# Allegro board MK60_PACK_V20A.brd (continued)
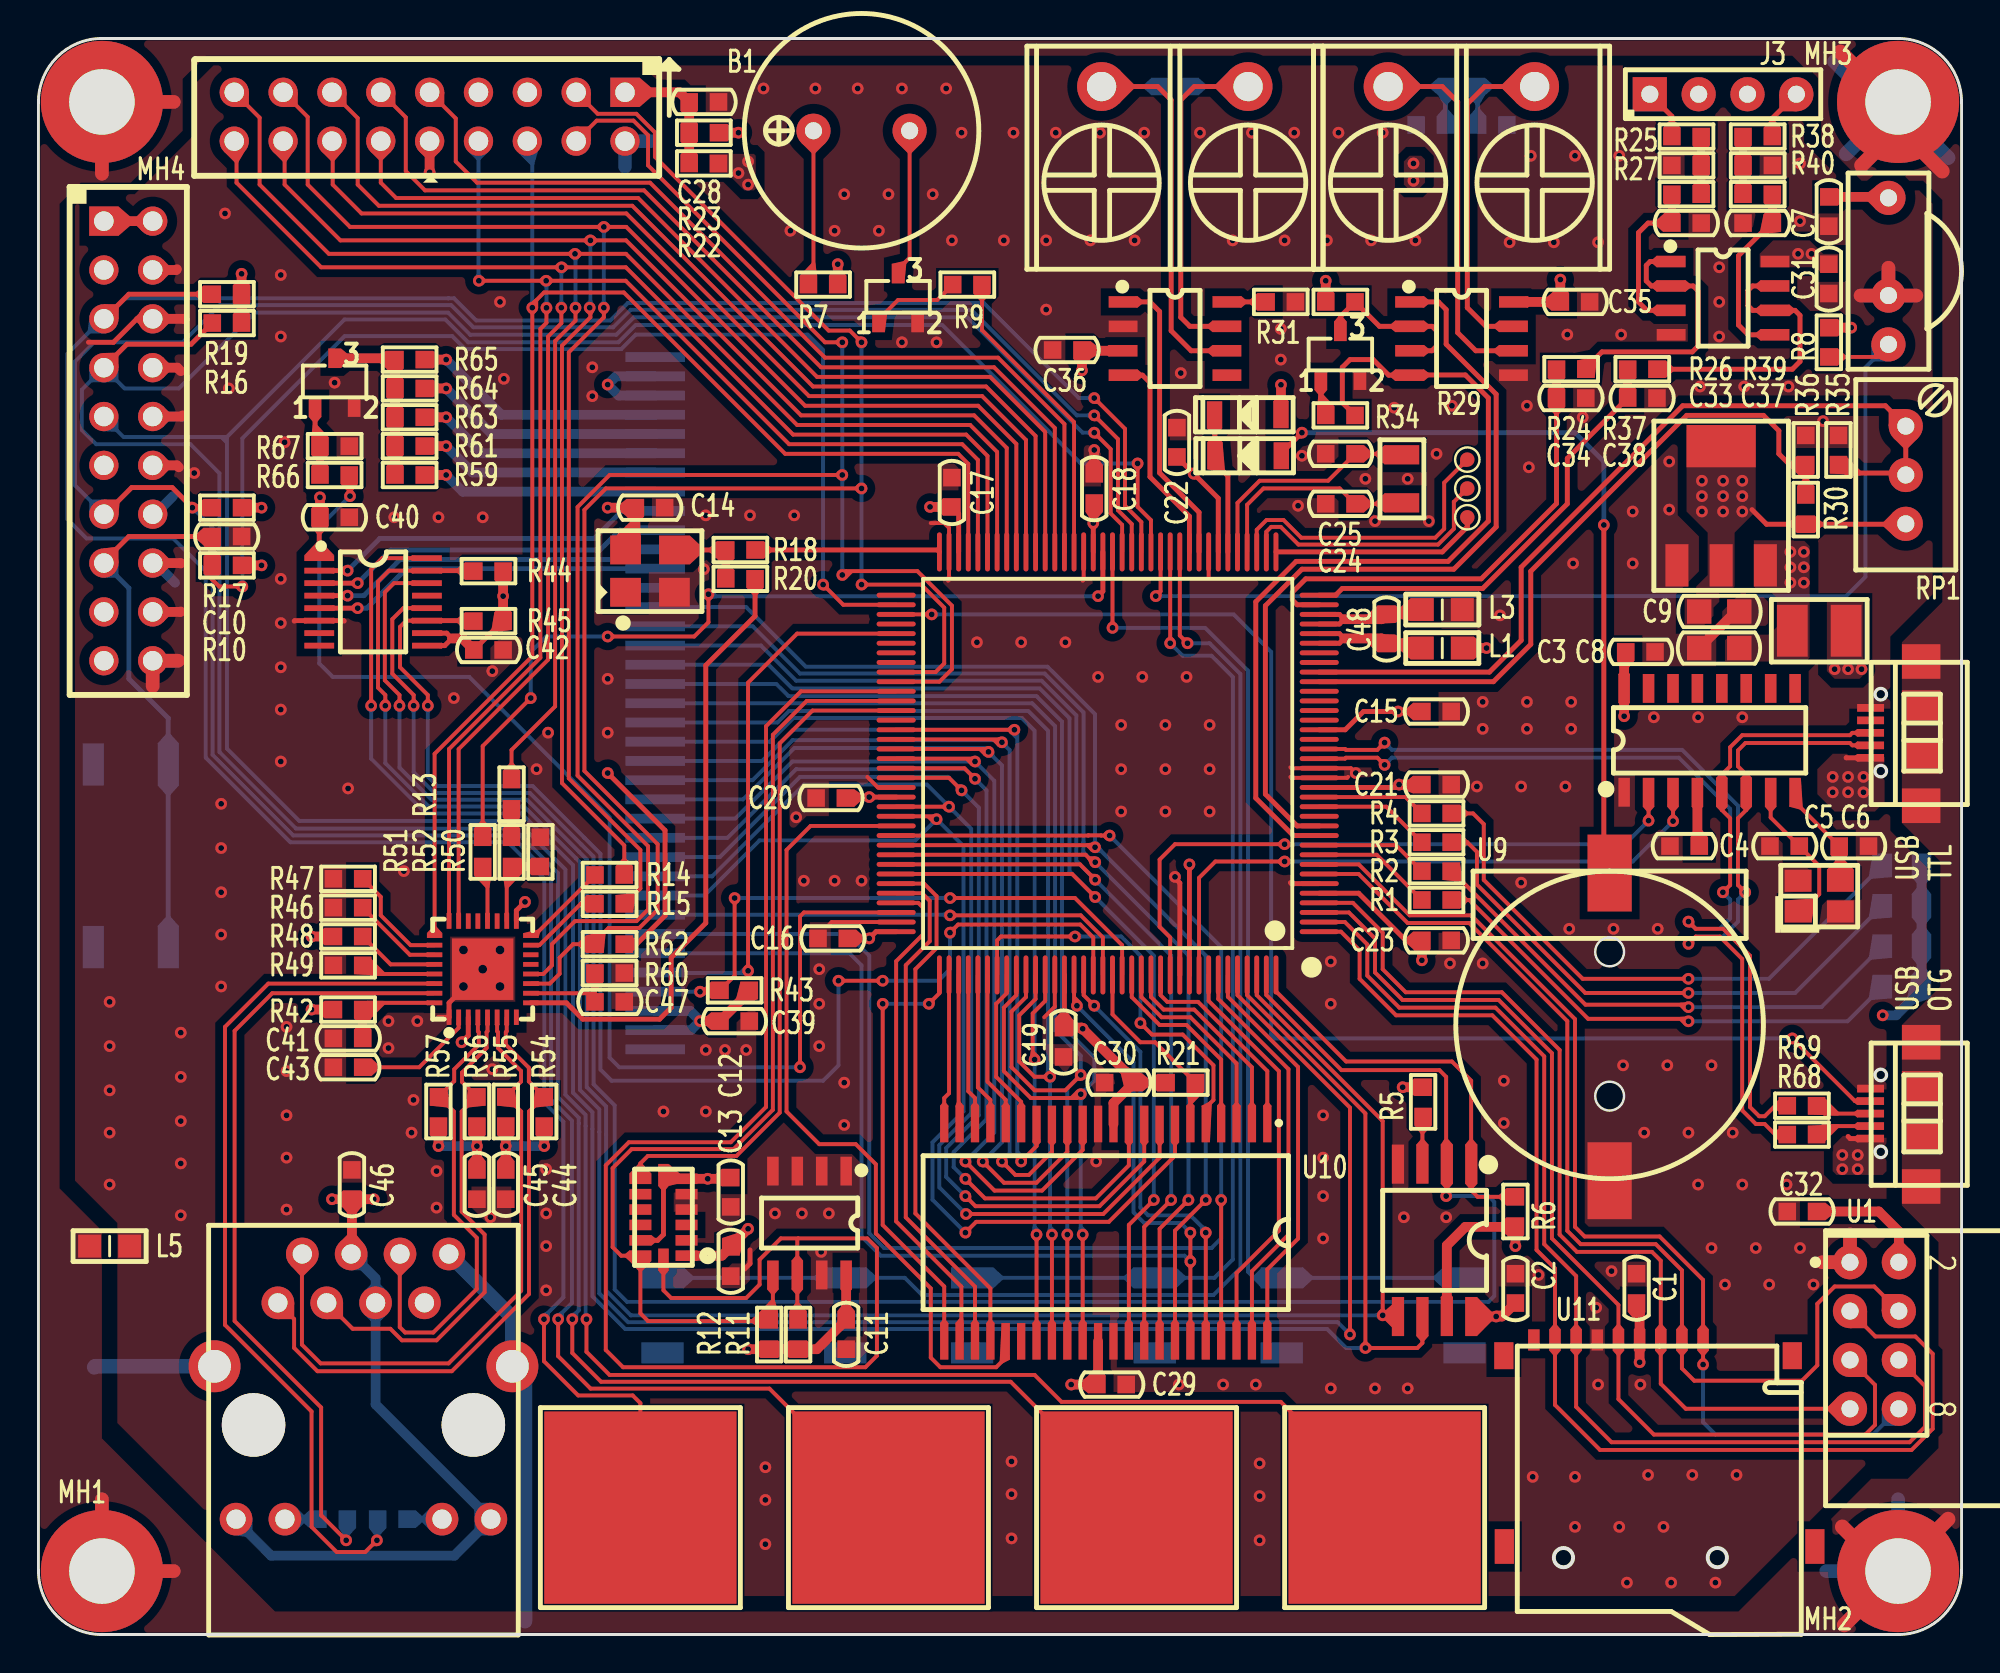
[diagram p0: board, top side]
## Nets
GND: C1.2 C2.1 C3.2 C4.2 C5.1 C6.1 C7.2 C8.2 C9.2 C10.1 C11.1 C12.1 C13.1 C14.1 C15.1 C16.1 C17.1 C18.1 C19.1 C20.1 C21.1 C22.1 C23.1 C24.1 C25.1 C28.2 C29.2 C30.2 C31.2 C32.1 C33.1 C34.1 C35.2 C36.2 C37.1 C38.1 C39.1 C40.1 C41.1 C42.2 C43.2 C44.1 C45.1 C46.1 C47.2 J1.4 J1.6 J1.8 J1.10 J1.12 J1.14 J1.16 J1.18 J1.20 J2.2(10) J3.2 J3.3 L3.1(A) L5.1(A) Q1.2(E) Q2.2(E) Q3.2(E) R27.2 R28.1 R31.1 R35.1 R36.1 R40.2 R46.1 R47.1 R49.2 R50.2 R60.2 R67.1 SW1.3 SW1.4 SW2.3 SW2.4 SW3.3 SW3.4 SW4.3 SW4.4 U1.1(GND) U2.4(GND) U3.1(GND) U4.6(VSS_1) U4.17(VSS_2) U4.18(VSS_3) U4.44(VSS_4) U4.57(VSS_5) U4.71(VSS_6) U4.93(VSS_7) U4.107(VSS_8) U4.121(VSS_9) U4.134(VSS_10) U5.2(GND) U6.1(GND) U7.2(GND_1) U7.4(GND_2) U7.5(GND_3) U8.1(A0) U8.2(A1) U8.3(A2) U8.4(GND) U8.7(WP) U9.2 U10.12(GND_1) U10.34(GND_2) U11.6(GND) U12.4(GND) U13.5(GND) U14.2(GND) U15.1(GND_1) U15.25(GND_2) U15.37(GND_3) U16.6(GND) U17.1(GND_1) U17.33(GND_2) USB1.5(GND) USB2.5(GND) Y1.2(GND1) Y1.4(GND2) Y2.2(GND)
GND_EARTH: J6.8(CHS_GND) J6.13(SHILED_1) J6.14(SHILED_2) L5.2(B) MH1.1 MH2.1 MH3.1 MH4.1 USB1.6(P_2) USB1.7(P_1) USB1.8(P_3) USB1.9(P_4) USB2.6(P_2) USB2.7(P_1) USB2.8(P_3) USB2.9(P_4)
VCC_3.3V: C1.1 C2.2 C3.1 C7.1 C9.1 C11.2 C12.2 C13.2 C14.2 C15.2 C16.2 C17.2 C18.2 C19.2 C20.2 C21.2 C22.2 C23.2 C29.1 C30.1 C32.2 C35.1 C36.1 C39.2 C40.2 C42.1 C46.2 D1.1(ANODE) D2.1(ANODE) D3.1(ANODE) D4.1(ANODE) D6.1(ANODE) J1.1 J1.2 J2.10(14) J6.4(TCT) J6.5(RCT) J6.9(LED(G)_A) J6.12(LED(Y)_A) L1.1(A) R5.1 R6.1 R7.2 R8.1 R10.1 R11.2 R12.2 R16.2 R17.2 R19.2 R21.1 R23.2 R29.1 R30.2 R42.1 R43.1 R44.1 R45.1 R48.2 R62.1 RP1.1(A) U1.2(VCC) U2.7(H\O\L\D\) U2.8(VCC) U3.16(VCC) U4.5(VDD_1) U4.16(VDD_2) U4.22(VREGIN) U4.43(VDD_3) U4.56(VDD_4) U4.70(VDD_5) U4.94(VDD_6) U4.108(VDD_7) U4.122(VDD_8) U4.135(VDD_9) U5.3(VCC) U6.2(OUT_1) U6.4(OUT_2) U7.1(VDDIO) U7.6(VSS) U7.7(C\S\) U7.12(SDO/ALT) U8.8(VCC) U10.11(VCC_1) U10.33(VCC_2) U11.4(VCC) U13.8(VCC) U14.3(VCC) U15.2(VDD_1) U15.3(VDD_2) U15.35(LED-A_1) U15.36(LED-A_2) U16.1(VCC) U16.9(VREF) U16.10(IOVDD) U17.3(VDDA_3.3) U17.17(VDDIO_3.3) Y2.4(VCC)
VCC_5V: C8.1 C31.1 F1.2 R22.2 R41.2 U6.3(IN) U12.8(VCC)
VCC_USB: F1.1 USB1.1(VBUS) USB2.1(VBUS)
VDDA3V3: C48.2 L1.2(B) U4.31(VDDA) U4.32(VREFH)
VSSA: C48.1 L3.2(B) U4.33(VREFL) U4.34(VSSA)
485_R: U4.12(PTE9) U13.1(RO)
485_T: R34.1 U4.11(PTE8) U13.4(DI)
A4: SW3.1 SW3.2 U4.54(PTA4/NMI_B)
A6: R9.1 U4.58(PTA6)
A24: U4.75(PTA24) USB1.4(ID)
AD1: C34.2 R24.2 U4.35(ADC1_SE16)
AD2: C38.2 R37.2 U4.36(ADC0_SE16)
ADC0_DM0: R35.2 RP1.2(WIPER) RP1.3(B) U4.28(ADC1_DM3)
ADC0_DP0: R30.1 R36.2 U4.27(ADC1_DP3)
ADIN1: J3.1 R25.1
ADIN2: J3.4 R38.1
ADXL_INT: U4.85(PTB4) U7.8(INT1)
B2: R11.1 U4.83(PTB2) U7.14(SCL/SCLK) U8.6(SCL)
B3: R12.1 U4.84(PTB3) U7.13(SDA/SDIO) U8.5(SDA)
BL: R66.1 U4.106(PTC3)
CAN1_RX: U4.46(PTE25) U14.4(R)
CAN1_TX: U4.45(PTE24) U14.1(D)
CONFIG0: R48.1 U17.28(COL/CONFIG0)
CONFIG1: R49.1 U17.29(CRS/CONFIG1)
CONFIG2: R50.1 R52.2 U17.18(RXDV/CRSDV/CONFIG2)
CS: R43.2 U4.128(PTD1) U15.4(CS)
D6: U3.2(TXD) U4.133(PTD6)
D7: U3.3(RXD) U4.136(PTD7)
D15: R6.2 U2.1(C\S\) U4.144(PTD15)
DAC0_OUT: TP2.1 U4.38(ADC0_SE23)
DAC1_OUT: TP3.1 U4.39(ADC1_SE23)
E6: R1.1 U4.9(PTE6)
E7: R2.1 U4.10(PTE7)
E11: R3.1 U4.14(PTE11)
E12: R4.1 U4.15(PTE12)
E26: SW1.1 SW1.2 U4.47(PTE26)
E27: SW2.1 SW2.2 U4.48(PTE27)
E28: R8.2 U4.49(PTE28) U5.1(DATA)
EXTAL32: C25.2 U4.41(EXTAL32) Y3.1
FB_1: U4.132(PTD5) U10.1(A0)
FB_2: U4.131(PTD4) U10.2(A1)
FB_3: U4.130(PTD3) U10.3(A2)
FB_4: U4.129(PTD2) U10.4(A3)
FB_5: U4.115(PTC10) U10.5(A4)
FB_6: U4.114(PTC9) U10.18(A5)
FB_7: U4.113(PTC8) U10.19(A6)
FB_8: U4.112(PTC7) U10.20(A7)
FB_9: U4.111(PTC6) U10.21(A8)
FB_10: U4.110(PTC5) U10.22(A9)
FB_11: U4.109(PTC4) U10.23(A10)
FB_12: U4.105(PTC2) U10.24(A11)
FB_13: U4.104(PTC1) U10.25(A12)
FB_14: U4.103(PTC0) U10.26(A13)
FB_15: U4.97(PTB18) U10.27(A14)
FB_16: U4.137(PTD8) U10.42(A15)
FB_17: U4.138(PTD9) U10.43(A16)
FB_18: U4.139(PTD10) U10.44(A17)
FB_AD0: U4.96(PTB17) U10.7(I/O0) U15.9(DBD0)
FB_AD1: U4.95(PTB16) U10.8(I/O1) U15.10(DBD1)
FB_AD2: U4.92(PTB11) U10.9(I/O2) U15.11(DBD2)
FB_AD3: U4.91(PTB10) U10.10(I/O3) U15.12(DBD3)
FB_AD4: U4.90(PTB9) U10.13(I/O4) U15.13(DBD4)
FB_AD5: U4.89(PTB8) U10.14(I/O5) U15.14(DBD5)
FB_AD6: U4.88(PTB7) U10.15(I/O6) U15.15(DBD6)
FB_AD7: U4.87(PTB6) U10.16(I/O7) U15.16(DBD7)
FB_AD8: U4.120(PTC15) U10.29(I/O8) U15.17(DBD8)
FB_AD9: U4.119(PTC14) U10.30(I/O9) U15.18(DBD9)
FB_AD10: U4.118(PTC13) U10.31(I/O10) U15.19(DBD10)
FB_AD11: U4.117(PTC12) U10.32(I/O11) U15.20(DBD11)
FB_AD12: U4.102(PTB23) U10.35(I/O12) U15.21(DBD12)
FB_AD13: U4.101(PTB22) U10.36(I/O13) U15.22(DBD13)
FB_AD14: U4.100(PTB21) U10.37(I/O14) U15.23(DBD14)
FB_AD15: U4.99(PTB20) U10.38(I/O15) U15.24(DBD15)
FB_BE_23_16: U4.123(PTC16) U10.39(L\B\) U15.6(WR)
FB_BE_31_24: U4.124(PTC17) U10.40(U\B\)
FB_CS1: R21.2 U4.127(PTD0) U10.6(C\E\)
FB_OE_B: U4.98(PTB19) U10.41(O\E\) U15.7(RD)
FB_RW_B: U4.116(PTC11) U10.17(W\E\)
LED0: R53.1 U17.30(LED0/NWAYEN)
LED1: R58.1 U17.31(LED1/SPEED)
LED-1: R59.1 U15.30(LED-1)
LED-2: R61.1 U15.31(LED-2)
LED-3: R63.1 U15.32(LED-3)
LED-4: R64.1 U15.33(LED-4)
LED-5: R65.1 U15.34(LED-5)
MK60_CLK: R18.2 U4.72(PTA18/EXTAL)
OV7620_HREF: J2.6(12) U4.69(PTA17) U17.25(TXD1)
OV7620_PCLK: J2.9(5) U4.59(PTA7)
OV7620_SCL: J2.3(2) R62.2 U4.81(PTB0) U17.11(MDIO)
OV7620_SDA: J2.4(11) U4.82(PTB1) U17.12(MDC)
OV7620_VSYNC: J2.8(13) U4.68(PTA16) U17.24(TXD0)
OV7620_Y0: J2.11(6) U4.60(PTA8)
OV7620_Y1: J2.12(15) U4.61(PTA9)
OV7620_Y2: J2.13(7) U4.62(PTA10)
OV7620_Y3: J2.14(16) U4.63(PTA11)
OV7620_Y4: J2.15(8) R15.2 U4.64(PTA12)
OV7620_Y5: J2.16(17) R14.2 U4.65(PTA13)
OV7620_Y6: J2.17(9) R13.2 U4.66(PTA14)
OV7620_Y7: J2.18 U4.67(PTA15) U17.23(TXEN/TX_EN)
PHY_CLK: R20.2 U17.9(XI/REFCLK)
RESET: C10.2 J1.15 R10.2 SW4.1 SW4.2 U4.74(RESET_B)
RMII0_CRSDV: R13.1 R52.1
RMII0_RXD0: R14.1 U17.16(RXD0/DUPLEX)
RMII0_RXD1: R15.1 U17.15(RXD1/PHYAD2)
RMII0_RXER: R51.1 U4.55(PTA5/TRST)
RS: U4.77(PTA26) U15.5(RS)
RST: C41.2 R42.2 U17.32(RST#)
RX+: J6.3(RD+) R56.1 U17.5(RX+)
RX-: J6.6(RD-) R57.1 U17.4(RX-)
SDHC0_CMD: U1.7(MISO) U4.4(PTE3) U11.3(CMD)
SDHC0_D0: U1.6(MOSI) U4.2(PTE1) U11.7(DAT0)
SDHC0_D1: U1.3(CE) U4.1(PTE0) U11.8(DAT1)
SDHC0_D2: U1.8(IRQ) U4.8(PTE5) U11.1(DAT2)
SDHC0_D3: U1.4(CSN) U4.7(PTE4) U11.2(DAT3)
SDHC0_DCLK: U1.5(SCK) U4.3(PTE2) U11.5(CLK)
TFT_RESET: U4.126(PTC19) U15.8(REST)
TP_CS: R44.2 U4.140(PTD11) U16.15(C\S\)
TP_DCLK: U2.6(CLK) U4.141(PTD12) U16.16(DCLK)
TP_DIN: U2.5(DI) U4.142(PTD13) U16.14(DIN)
TP_DOUT: U2.2(DO) U4.143(PTD14) U16.12(DOUT)
TP_IRQ: R45.2 U4.125(PTC18) U16.11(P\E\N\I\R\Q\)
TSI_1: J1.5 R19.1 T4.1 U4.51(PTA1/TDI)
TSI_2: J1.13 R17.1 T3.1 U4.52(PTA2/TD0)
TSI_3: J1.7 R16.1 T2.1 U4.53(PTA3/TMS)
TSI_4: J1.9 T1.1 U4.50(PTA0/TCLK)
TX+: J6.1(TD+) R54.1 U17.7(TX+)
TX-: J6.2(TD-) R55.1 U17.6(TX-)
USB0_DM: R68.1 U3.6(UD-) U4.20(USB0_DM) USB2.2(D-)
USB0_DP: R69.1 U3.5(UD+) U4.19(USB0_DP) USB2.3(D+)
VREF: TP1.1 U4.37(ADC1_SE18)
X+: U15.29(X+) U16.2(XP)
X-: U15.27(X-) U16.4(XN)
XTAL32: C24.2 U4.40(XTAL32) Y3.2
Y+: U15.28(Y+) U16.3(YP)
Y-: U15.26(Y-) U16.5(YN)
N16963284: R68.2 USB1.2(D-)
N16963287: R69.2 USB1.3(D+)
N16964680: C4.1 U3.4(V3)
N16965889: C5.2 U3.7(XI) Y1.1(X1)
N16965893: C6.2 U3.8(XO) Y1.3(X2)
N16967838: Q1.1(B) R9.2
N16967840: B1.2(G) Q1.3(C)
N16967852: B1.1(P) R7.1
N16969168: R5.2 U2.3(W\P\)
N17005333: C28.1 J2.1 R22.1 R23.1
N17006644: J6.10(LED(G)_K) R58.2
N17006646: J6.11(LED(Y)_K) R53.2
N17007364: C43.1 U17.2(VDDPLL_1.8)
N17007464: C47.1 R60.1 U17.10(REXT)
N17008040: R51.2 U17.20(RXER/RX_ER/ISO)
N17008183: R47.2 U17.26(TXD2)
N17008188: R46.2 U17.27(TXD3)
N17009702: C44.2 R54.2 R55.2
N17009834: C45.2 R56.2 R57.2
N17012325: Q3.3(C) R59.2 R61.2 R63.2 R64.2 R65.2
N17014487: Q3.1(B) R66.2 R67.2
N17017247: D5.2(CATHODE) D6.2(CATHODE) U4.42(VBAT)
N17021181: R18.1 R20.1 Y2.3(OUT)
N17030596: R38.2 R39.1 R40.1
N17030602: C37.2 R39.2 U12.5(2IN+)
N17030649: R37.1 U12.6(2IN-) U12.7(2OUT)
N17030741: R24.1 U12.1(1OUT) U12.2(1IN-)
N17030791: R25.2 R26.1 R27.1
N17030797: C33.2 R26.2 U12.3(1IN+)
N17033052: J4.1 R28.2 R32.1 U13.7(B)
N17033058: J4.2 R32.2 R41.1 U13.6(A)
N17033137: Q2.1(B) R34.2
N17033163: Q2.3(C) R29.2 U13.2(R\E\) U13.3(DE)
N17033824: R31.2 U14.8(RS)
N17033840: J5.1 R33.1 U14.7(CANH)
N17033854: J5.2 R33.2 U14.6(CANL)
N169613021: D1.2(CATHODE) R1.2
N169615491: D2.2(CATHODE) R2.2
N169619491: D3.2(CATHODE) R3.2
N169619871: D4.2(CATHODE) R4.2
N170172430: D5.1(ANODE) U9.1

Pads without a net: J1 3 11 17 19; J2 5 7; J6 7; U3 9 10 11 12 13 14 15; U4 13 21 23 24 25 26 29 30 73 76 78 79 80 86; U7 3 9 10 11; U10 28; U11 9 10 11 12 13; U14 5; U16 7 8 13; U17 8 13 14 19 21 22; USB2 4; Y2 1

## Via types
v1: diameter 0.61, hole 0.305, TOP to BOTTOM, 459 vias
v2: diameter 0.762, hole 0.457, TOP to BOTTOM, 5 vias

## Routing (per net, layer and track width the routed paths; a pad name or vN(x,y) marks a point on that pad's centre or on a via; arc(x,y) is an arc through that point)
GND: length 97.1
  TOP w0.203: 41.1,36.9 41.25,37.05 U4.107 ; 46.4,57.8 47.1,57.8 47.35,57.55 U4.71 47.35,54.85 47.3,54.8 ; 65.1,45.1 65.15,45.05 U4.18 68.25,45.05 68.3,45 ; 54.3,54.8 54.35,54.85 U4.57 ; U4.121 52.85,32.65 52.3,32.1 ; 60.9,54.9 60.85,54.95 U4.44 ; 43.1,44.6 43.65,44.05 U4.93 ; 68.1,44.6 68.05,44.55 U4.17 65.15,44.55 65.1,44.6
  TOP w0.254: 36.71,19 37,19.29 37,20 ; U4.6 65.15,39.05 65.1,39.1 ; J1.6 5.12,68.42 3.9,67.2 2.6,67.2 ; 20.8,32.1 U17.1 21.35,32.85 v2(23.1,34.6) ; 15.9,52.7 15.88,52.73 U16.6 13.32,52.73 13.3,52.7 ; U4.134 59.35,39.08 59.23,39.2
  TOP w0.508: J1.8 7.22,65.88 7.4,65.7 ; J1.18 7.38,53.18 7.4,53.2 ; J1.6 7.58,68.42 7.6,68.4 ; 7.3,60.7 7.2,60.8 J1.12 ; C8.2 88.26,53.2 C9.2 ; J1.16 7.38,55.72 7.4,55.7 ; 7.5,63.4 7.44,63.34 J1.10 ; 7.2,71 7.16,70.96 J1.4 ; C18.1 v1(54.9,61.6)
  TOP w0.711: 92.75,19.36 U1.1 94.2,20.81 ; U5.2 96.2,71.08 ; U5.2 94.75,69.63 ; U5.2 97.65,69.63 ; 5.94,49.32 J1.20 7.26,50.64
  GND w0.711: 88.87,81.55 J3.3 88.87,78.65 ; 92.75,19.36 U1.1 94.2,20.81 ; 94.75,69.63 U5.2 ; U5.2 96.2,71.08 ; U5.2 97.65,69.63 ; 86.33,81.55 J3.2 86.33,78.65 ; 31.82,77.66 J2.2 30.5,76.34 ; 5.94,49.32 J1.20 7.26,50.64
  BOTTOM w0.508: J1.10 7.46,63.34 7.5,63.3 ; 7,59.2 6.06,58.26 J1.14 ; 7.1,54.7 6.08,55.72 J1.16
  BOTTOM w0.711: U5.2 96.2,71.08 ; U5.2 94.75,69.63 ; U5.2 97.65,69.63 ; 92.75,19.36 U1.1 94.2,20.81 ; J1.20 7.26,50.64 ; 31.82,77.66 J2.2 30.5,76.34
  vias: v1(3.7,32.9) v1(3.7,30.6) v1(3.7,28.3) v1(3.7,26.1) v1(3.7,23.4) v1(7.4,31.3) v1(7.4,29) v1(7.4,26.7) v1(7.4,24.5) v1(7.4,21.8) v1(8.1,60.4) v1(9.5,43.2) v1(9.5,40.9) v1(9.5,38.6) v1(9.5,36.4) v1(9.5,33.7) v1(9.7,73.9) v1(9.9,64.8) v1(12.6,70.7) v1(12.6,67.5) v1(12.6,54.9) v1(12.6,52.6) v1(12.6,50.3) v1(12.6,48.1) v1(12.6,45.4) v1(12.8,62) v1(12.9,31.6) v1(12.9,29.3) v1(12.9,27) v1(12.9,24.8) v1(12.9,22.1) v1(15.4,65.1) v1(16.1,44) v1(18.2,31.9) v1(18.2,30.5) v1(18.5,58.1) v1(19,39.7) v1(19.4,26.1) v1(19.5,27.8) v1(19.7,31.9) v1(20.7,24.1) v1(20.7,22.2) v1(20.8,58.1) v1(21.6,48.7) v1(23.1,58.1) v1(23.5,21.7) v1(23.6,50.1) v1(23.6,29.4) v1(24,69.3) v1(24.2,65.3) v1(25.9,45) v1(26.4,24.2) v1(26.4,21.9) v1(26.4,20.2) v1(26.4,17.9) v1(26.5,46.9) v1(28.8,65.9) v1(28.8,64.4) v1(29.6,49.7) v1(29.6,46.9) v1(32.5,27.2) v1(34.6,55.4) v1(34.7,58.2) v1(34.7,30.4) v1(34.7,27.2) v1(35.7,30.4) v1(36.8,30.4) v1(37,58.2) v1(37.7,80.4) v1(37.8,8.7) v1(37.8,7) v1(37.8,4.7) v1(38.3,21.9) v1(39.1,73) v1(39.3,58.2) v1(39.4,42.5) v1(39.7,21.9) v1(39.8,39.2) v1(40.4,80.4) v1(40.6,34.6) v1(40.6,32.8) v1(40.6,30.6) v1(40.7,19.9) v1(41.1,21.9) v1(41.4,73) v1(41.4,39.2) v1(41.9,74.9) v1(41.9,28.7) v1(41.9,26.5) v1(42.6,80.4) v1(42.8,39.2) v1(43.7,73) v1(44.2,74.9) v1(44.9,80.4) v1(44.9,67.2) v1(46.5,74.9) v1(46.7,67.2) v1(47.2,80.4) v1(47.5,72.5) v1(48,78.1) v1(48.8,51.6) v1(50.2,72.5) v1(50.6,9) v1(50.6,7.3) v1(50.6,5) v1(50.7,78.1) v1(51.1,51.6) v1(52.4,72.5) v1(52.4,68.9) v1(52.9,78.1) v1(53.4,51.6) v1(54.7,72.5) v1(55,24.6) v1(55.1,49.8) v1(55.2,78.1) v1(56.3,47.3) v1(56.3,45) v1(56.3,42.8) v1(57,72.5) v1(57.4,49.8) v1(57.5,78.1) v1(58.6,47.3) v1(58.6,45) v1(58.6,42.8) v1(59.1,39.4) v1(59.3,13) v1(59.4,65.6) v1(59.7,49.8) v1(60.4,78.1) v1(60.9,47.3) v1(60.9,45) v1(60.9,42.8) v1(61.6,13) v1(62.1,72.5) v1(63.1,78.1) v1(63.3,13) v1(63.5,8.9) v1(63.5,7.2) v1(63.5,4.9) v1(64.6,67.9) v1(64.6,66.3) v1(64.8,72.5) v1(65.3,78.1) v1(65.5,58.7) v1(65.7,61.3) v1(66.8,27) v1(66.8,24.8) v1(66.8,22.8) v1(66.8,20.6) v1(67,72.5) v1(67.2,35) v1(67.2,32.8) v1(67.2,12.8) v1(67.6,78.1) v1(68.5,44.8) v1(69,60.1) v1(69.3,72.5) v1(69.5,57.9) v1(69.5,12.8) v1(69.9,78.1) v1(70.5,63.8) v1(71,21.7) v1(71.2,60.1) v1(71.2,12.8) v1(71.6,72.5) v1(72.3,57.9) v1(72.7,61.4) v1(73.2,21.7) v1(73.4,34.9) v1(73.5,63.9) v1(74.8,44.1) v1(75.1,48.5) v1(75.1,47.1) v1(75.1,34.9) v1(76,53) v1(76.2,28.8) v1(76.2,26.6) v1(76.5,72.4) v1(77.1,44.1) v1(77.1,39.1) v1(77.4,63.9) v1(77.4,48.5) v1(77.4,47.1) v1(77.5,60.7) v1(77.6,76.9) v1(77.7,8.2) v1(78,18.7) v1(78.8,72.4) v1(79.4,44.1) v1(79.5,67.6) v1(79.6,36.7) v1(79.7,48.5) v1(79.7,47.1) v1(79.8,55.7) v1(79.9,76.9) v1(79.9,8.2) v1(79.9,5.6) v1(80.3,63.3) v1(81,17) v1(81.1,72.4) v1(81.1,13) v1(81.8,18.9) v1(81.9,36.7) v1(82.2,76.9) v1(82.2,5.6) v1(82.3,67.6) v1(82.4,29.6) v1(82.6,2.7) v1(82.9,58.4) v1(82.9,55.7) v1(83.3,13) v1(83.5,26.1) v1(83.7,8.3) v1(84,47.7) v1(84.2,36.7) v1(84.5,5.6) v1(84.7,29.6) v1(84.8,61) v1(84.8,58.5) v1(84.9,2.7) v1(85.8,26.1) v1(86,8.3) v1(86.3,47.7) v1(86.3,23.4) v1(86.4,64.9) v1(87,29.6) v1(87,20.1) v1(87.2,2.7) v1(87.4,71.1) v1(87.4,69.3) v1(87.4,67.5) v1(87.7,18.2) v1(88.1,26.1) v1(88.3,8.3) v1(88.6,47.7) v1(88.6,23.4) v1(88.7,64.9) v1(89.3,20.1) v1(90,18.2) v1(90.9,23.4) v1(91,64.9) v1(91.6,76.5) v1(91.6,73.5) v1(91.6,20.1) v1(92.3,18.2) v1(92.8,63.1) v2(22.1,35.6) v2(22.1,33.7) v2(24,35.6) v2(24,33.7)
GND_EARTH: length 99.3
  TOP w0.711: 3.3,75.97 MH4.1 7.03,79.7 ; 3.3,7.03 MH1.1 7.03,3.3
  TOP w0.762: 94.8,76.4 96.7,78.3 96.7,78.4 ; 99,76.1 96.7,78.4 ; 96.7,78.4 MH3.1 96.3,79.7 93.7,82.3 ; 99.3,6 96.7,3.4 MH2.1 ; MH2.1 96.1,3.3 93.8,5.6 ; MH2.1 93.9,0.5
  BOTTOM w0.711: 3.3,7.03 MH1.1 7.03,3.3 ; 3.3,75.97 MH4.1 7.03,79.7 ; 96.7,7.03 MH2.1 92.97,3.3
  BOTTOM w0.762: MH3.1 95.5,79.7 93.4,81.8 ; MH3.1 94,77 ; MH3.1 96.7,79.4 99.3,76.8 ; 9.15,13.95 2.95,13.95 2.9,13.9 ; 25.3,0.7 25.3,13.29 J6.14 24.64,16.48 J6.8
VCC_3.3V: length 246.6
  TOP w0.254: U16.10 21.23,52.08 21.5,51.8 21.12,51.42 20.2,51.42 ; C42.1 24.14,52.7 R45.1 ; U17.17 24.85,37.65 v1(25.3,38.1) ; C23.2 71.1,36.1 68.65,38.55 U4.5 ; U7.12 32.2,20.5 32.5,20.8 U7.7 ; U4.135 v1(59.85,40.05) ; C19.2 53.35,31.61 U4.122 ; U4.22 67.95,47.05 68.9,48 v1(70.7,48) C15.2 ; v1(29.6,44.8) 32.58,41.82 32.58,37.38 31.1,35.9 R62.1 ; C17.2 47.85,58.29 U4.70 ; U16.1 14.6,58.06 C40.2 ; C18.2 54.85,58.79 v1(54.85,57.8) U4.56 ; U4.94 v1(43.2,43.55) 42.01,43.55 C20.2 ; 70.6,44.05 v1(70.75,44.2) ; 70.6,44.05 U4.16 ; 70.6,44.05 71.79,44.05 C21.2 ; 89.1,58.5 89.86,57.74 R30.2 97.08,57.74 RP1.1 ; U4.43 61.35,59.09 v1(60.07,60.37) C22.2 ; v1(22,30.8) 22.35,31.15 U17.3 ; C16.2 v1(43.2,36.2) 43.55,36.55 U4.108
  TOP w0.508: R21.1 C30.1 ; C30.1 56.96,28.84 v1(54.3,31.5) 54.24,31.56 C19.2 ; C30.1 55.9,27.64 U10.11 ; R7.2 v1(41.56,71.26) ; C23.2 v1(71.94,35.06) ; C46.2 v1(17.44,22.64) ; C46.2 v1(15.26,22.64) ; C46.2 16.3,19.83 J6.4 ; R8.1 v1(94.26,67.96) ; C7.1 96.15,74.76 U5.3 ; v1(79.14,70.46) C35.1 U13.8 ; v1(83.26,14.16) U11.4 83.26,17.08 C1.1 ; v1(29.6,58.6) C14.2 31.04,56.91 Y2.4 ; R23.2 v1(36.4,78.1) ; v1(34.4,31.9) C39.2 36.96,33.42 R43.1 ; C17.2 v1(46.36,58.64) ; v1(36.9,21.1) 36,20.2 C13.2 35.54,19.7 U7.1 ; J2.10 v1(20.34,76.04) ; C12.2 35.94,23.7 v1(34.8,23.7) U7.6 32.7,23.7 U7.7 ; C42.1 22.04,51.8 21.5,51.8 ; C40.2 v1(14.64,59.14) ; v1(10.56,70.76) R19.2 R16.2 ; U1.2 96.74,20.96 95.7,22 C32.2 ; v1(36.9,14.84) R12.2 R11.2 40.48,14.84 C11.2 U8.8 ; J1.1 J1.2 ; R45.1 v1(24.16,54) R44.1 ; U2.7 73.23,20.23 74.2,21.2 76.76,21.2 R6.1 v1(76.8,20.2) ; C3.1 82.45,51.02 U3.16 v1(82.45,47.76) ; C2.2 76.1,16.54 v1(75.8,16.54) U2.8 ; v1(54.26,65.74) C36.1 54.3,66.76 U14.3 ; D6.1 v1(64.61,64.99) ; L1.1 v1(75.3,51.3) ; R42.1 v1(14.2,32.5) ; R10.1 v1(11.6,55.6) ; R48.2 v1(14.2,36.3) ; R29.1 v1(66.94,70.4) ; v1(53.7,13) C29.1 55.1,13.06 U10.33 ; C21.2 v1(70.75,44.2) ; R17.2 v1(11.6,58.6) ; R5.1 v1(70.94,28.46)
  POWER w0.711: 96.2,73.26 U5.3 ; U5.3 94.75,74.71 ; U5.3 97.65,74.71 ; 3.4,74.82 J1.1 2.08,73.5 ; 98.19,19.36 U1.2 96.74,20.81 ; 97.1,56.31 RP1.1 ; RP1.1 98.55,57.76 ; RP1.1 95.65,57.76 ; 7.26,73.5 J1.2 5.94,74.82
  BOTTOM w0.508: 10.28,6 10.28,5.92 12.1,4.1 21.62,4.1 J6.12 23.5,6 17.53,11.97 J6.5 17.53,18.52 J6.4 ; U15.35 30.17,64.43 v1(29.6,65) 30.03,65.43 U15.36 ; U15.3 33.89,32.43 34.4,31.92 v1(34.4,31.9) 33.93,31.43 U15.2 ; v1(95.9,32.2) 96.6,32.2 97.92,33.52 D1.1 D2.1 D3.1 D4.1
  vias: v1(86.5,60) v1(86.5,59.2) v1(86.5,58.4) v1(87.6,60) v1(87.6,59.2) v1(87.6,58.4) v1(88.6,60) v1(88.6,59.2) v1(88.6,58.4)
VCC_5V:
  vias: v1(36.4,76) v1(36.9,76.6) v1(36.9,75.4) v1(71.5,76.5) v1(71.5,75.6) v1(91.1,56.3) v1(91.1,55.5) v1(91.1,54.7) v1(91.5,71.8) v1(91.8,56.3) v1(91.8,55.5) v1(91.8,54.7) v1(92.2,71.8)